# Altium PCB FMC_ADC_128CH_10B.PcbDoc (part 9 of 14)
Units mm, origin at the board's own origin, x right, y up, seen from the top; angles counter-clockwise.
Board outline 76.5 x 69 mm, 8 copper layers (Top Layer, Int1 (Sign), Int2 (GND), Int3 (Sign), Int4 (Sign), Int5 (GND), Int6 (Sign), Bottom Layer), stack 1.433 mm thick; 815 components, 661 nets, 3772 pads, 2072 vias.
Unrouted connection lines stored in the file: 135.
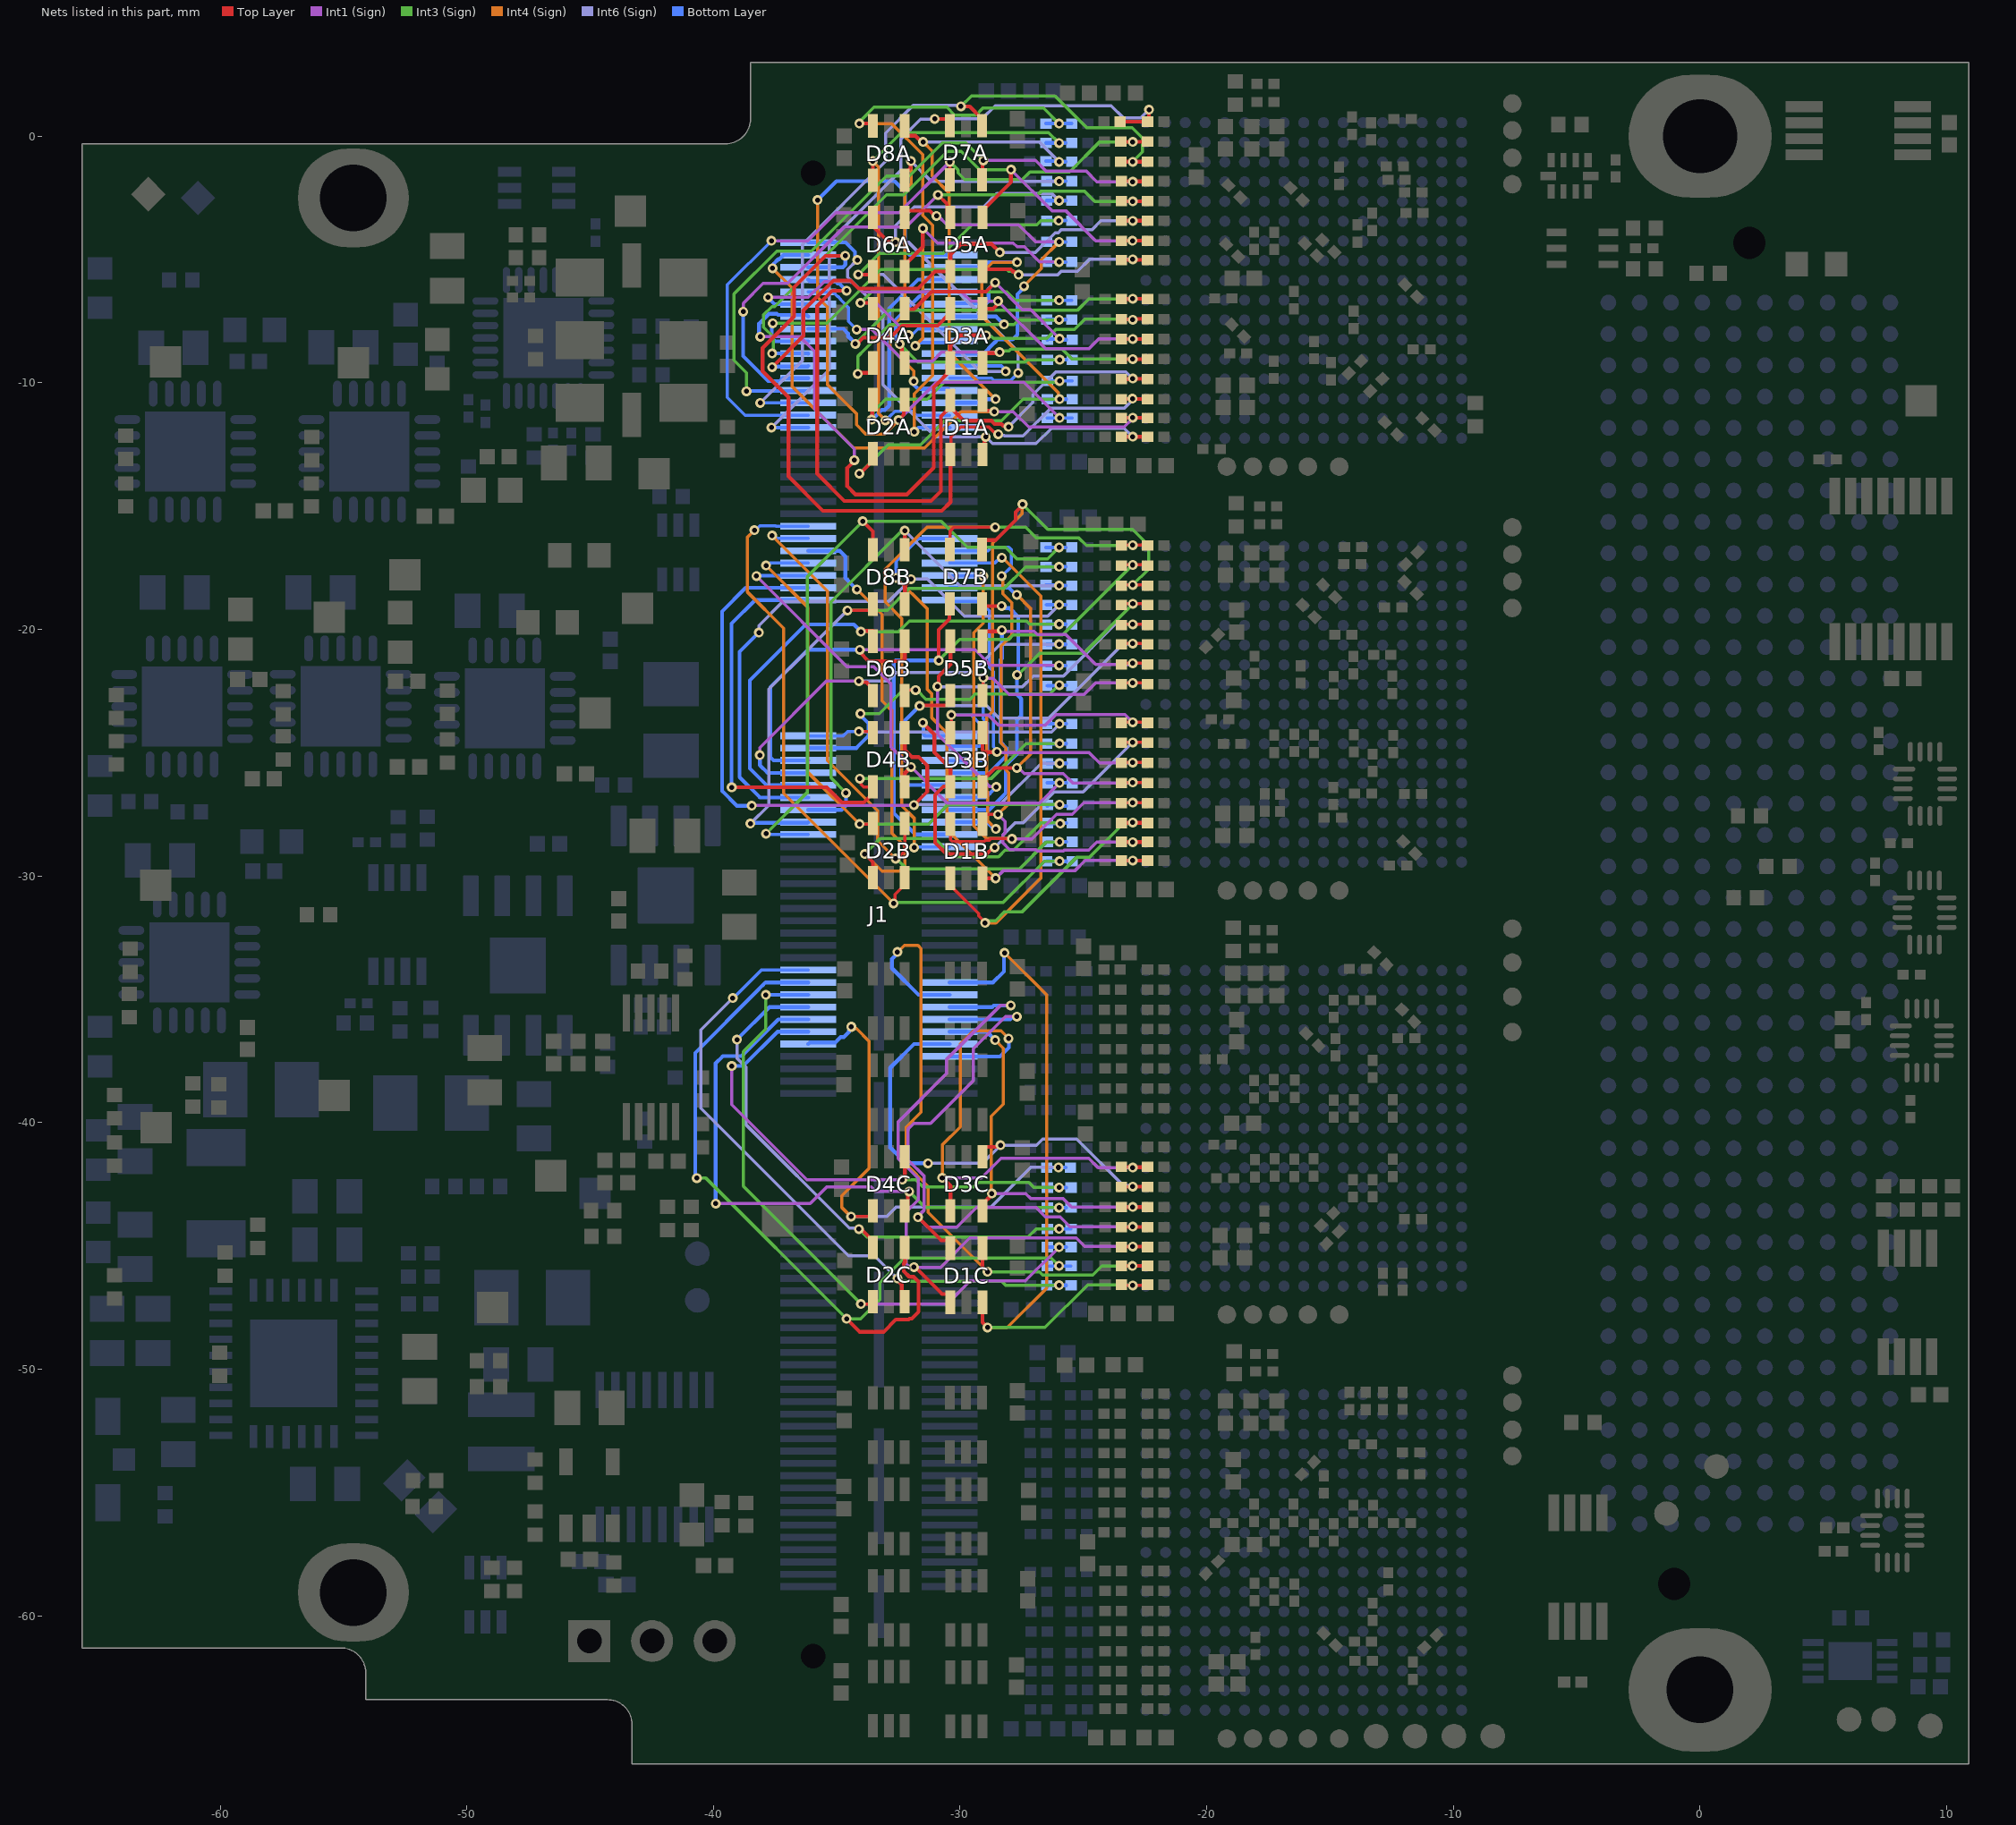
[diagram p15: the nets of this part, all layers, seen from the top]

## Via types
v1: diameter 0.4, hole 0.2, Top Layer to Bottom Layer, tented both sides, 1806 vias
v2: diameter 0.5, hole 0.2, Top Layer to Bottom Layer, tented both sides, 181 vias
v3: diameter 0.6, hole 0.3, Top Layer to Bottom Layer, tented both sides, 81 vias
v4: diameter 0.5, hole 0.3, Top Layer to Bottom Layer, tented both sides, 3 vias
v5: diameter 0.6, hole 0.2, Top Layer to Bottom Layer, tented both sides, 1 vias

## Nets (pads, with @x,y where several pads share a name; then routed paths per layer and width w, separated by ;. In a path a pad name is that pad's centre, name@x,y a point inside that pad or via, vN(x,y) a via of type N, cw(c..) or ccw(c..) an arc to the next point about the centre after c; other vN are vias at no path point) (continued)
INP1: D1A.6 J1.2 R26A.2 R27A.1 | length 21.5
  Top Layer w0.152: D1A.6@-29.09,-12.904 -29.01,-12.823 -29.01,-12.235 v1(-28.962,-12.188) ; R27A.1@-23.445,-12.184 v1@-22.999,-12.184 ; v1@-22.945,-12.184 R26A.2@-22.399,-12.185
  Int6 (Sign) w0.127: v1(-34.169,-5.013) -34.564,-5.408 -34.564,-5.704 -33.885,-6.383 -33.884,-6.383 -33.665,-6.602 -33.665,-6.603 -33.123,-7.145 -33.123,-10.071 -31.007,-12.188 v1(-28.962,-12.188) -28.951,-12.188 -28.681,-12.458 -26.917,-12.458 -26.296,-11.837 -23.346,-11.837 v1(-22.999,-12.184)
  Bottom Layer w0.152: J1.2@-36.158,-4.31 -34.643,-4.31 -34.266,-4.687 -34.266,-4.85 -34.169,-4.946 v1(-34.169,-5.013)
INP2: D2A.1 J1.3 R28A.1 R29A.1 | length 29.9
  Top Layer w0.152: v1(-32.497,-11.507) -32.283,-11.293 -32.283,-10.722 D2A.1@-32.24,-10.678
  Int1 (Sign) w0.127: v1(-32.497,-11.507) -30.962,-9.971 -27.413,-9.971 v1(-25.963,-11.421)
  Int4 (Sign) w0.127: v1(-35.777,-2.584) -35.777,-6.527 -35.373,-6.93 -35.373,-10.073 -34.195,-11.252 -34.195,-11.7 -33.81,-12.085 -33.076,-12.085 v1(-32.497,-11.507)
  Bottom Layer w0.127: R28A.1@-26.464,-11.423 R29A.1@-25.451,-11.423
  Bottom Layer w0.152: v1(-35.777,-2.584) -35.014,-1.821 -32.657,-1.821 -32.234,-2.245 -32.234,-4.627 -32.051,-4.81 J1.3@-30.428,-4.81
INP3: D1A.1 J1.4 R30A.2 R31A.1 | length 24.7
  Top Layer w0.127: D1A.1@-29.09,-10.704 -29.09,-10.979 -28.954,-11.115 -28.712,-11.115 v1@-28.64,-11.188 ; v1(-28.619,-11.166) -28.619,-11.219 -28.593,-11.244 -28.592,-11.243 v1@-28.592,-11.235
  Top Layer w0.152: R31A.1@-23.461,-11.423 -23.456,-11.417 -23.006,-11.417 v1(-23.001,-11.412) ; v1@-22.996,-11.413 -22.991,-11.417 -22.404,-11.417 R30A.2@-22.399,-11.423
  Int1 (Sign) w0.127: v1(-28.619,-11.166) -27.846,-11.166 -27.218,-11.794 -23.346,-11.794 -23.001,-11.45 v1(-23.001,-11.412)
  Int4 (Sign) w0.127: v1(-37.603,-5.357) -36.811,-6.149 -36.811,-10.146 -34.312,-12.645 -31.44,-12.645 -29.961,-11.166 v1(-28.619,-11.166)
  Bottom Layer w0.152: v1(-37.603,-5.357) -37.556,-5.31 -37.556,-5.17 -37.37,-4.984 -37.328,-4.984 -37.154,-4.81 J1.4@-36.158,-4.81
INP4: D2A.4 J1.5 R32A.1 R33A.1 | length 22
  Top Layer w0.152: v1(-34.081,-13.68) -34.066,-13.68 -33.54,-13.153 D2A.4@-33.54,-12.878
  Int3 (Sign) w0.127: v1(-34.081,-13.68) -32.917,-12.515 -31.609,-12.515 -30.633,-11.54 -28.324,-11.54 -27.445,-10.661 v1(-25.963,-10.661)
  Int4 (Sign) w0.127: v1(-27.689,-5.106) -28.679,-5.106 -29.115,-5.542 -29.115,-7.3 -26.118,-10.298 -26.008,-10.407 -26.008,-10.615 v1(-25.963,-10.661)
  Bottom Layer w0.152: J1.5@-30.428,-5.31 -29.064,-5.31 -28.86,-5.106 v1(-27.689,-5.106) ; R32A.1@-26.464,-10.661 -26.092,-10.661 -25.701,-10.661
INP5: D1A.4 J1.6 R34A.2 R35A.1 | length 32.6
  Top Layer w0.127: D1A.4@-30.39,-12.904 -30.377,-12.89 -30.377,-12.185 -29.977,-11.785 -28.837,-11.785 -28.642,-11.98 -28.627,-11.98 -28.522,-12.085 v1(-28.449,-12.085)
  Top Layer w0.152: v1(-34.652,-4.847) -35.461,-4.847 -36.732,-6.119 -36.732,-7.309 -38.005,-8.581 -38.005,-9.528 -36.955,-10.578 -36.955,-13.797 -35.566,-15.186 -30.741,-15.186 -30.39,-14.835 D1A.4@-30.39,-12.904 ; R35A.1@-23.501,-10.661 -23.491,-10.65 -23.022,-10.65 v1(-23.012,-10.64) -23.002,-10.65 -22.409,-10.65 R34A.2@-22.399,-10.661
  Int6 (Sign) w0.127: v1(-28.449,-12.085) -28.396,-12.137 -28.211,-12.137 -28.193,-12.156 -27.447,-12.156 -26.326,-11.034 -23.348,-11.034 -23.012,-10.698 v1(-23.012,-10.64)
  Bottom Layer w0.152: J1.6@-36.158,-5.31 -34.755,-5.31 -34.652,-5.206 v1(-34.652,-4.847)
INP6: D2A.3 J1.7 R36A.1 R37A.1 | length 18.1
  Top Layer w0.152: v1(-33.583,-11.496) -33.562,-11.474 -33.562,-10.7 D2A.3@-33.54,-10.678
  Int3 (Sign) w0.127: v1(-33.583,-11.496) -33.531,-11.443 -33.531,-11.169 -33.021,-10.659 -31.328,-10.659 -30.639,-9.971 -27.344,-9.971 -26.01,-9.971 v1(-25.963,-9.924)
  Bottom Layer w0.127: R36A.1@-26.464,-9.924 R37A.1@-25.451,-9.924
  Bottom Layer w0.152: v1(-33.583,-11.496) -33.578,-11.496 -33.179,-11.096 -33.048,-11.096 -32.871,-10.918 -32.871,-6.978 -31.703,-5.81 J1.7@-30.428,-5.81
INP7: D1A.3 J1.8 R38A.2 R39A.1 | length 29.1
  Top Layer w0.152: v1(-34.599,-6.261) -34.605,-6.266 -35.18,-6.266 -35.794,-6.879 -35.794,-13.685 -34.691,-14.787 -31.177,-14.787 -30.776,-14.386 -30.776,-11.365 D1A.3@-30.39,-10.979 ; D1A.3@-30.39,-10.704 -30.39,-10.992 -30.377,-10.992 -30.266,-11.102 -30.266,-11.116 -29.847,-11.535 -28.734,-11.535 -28.6,-11.668 -28.319,-11.668 -28.253,-11.735 ; R39A.1@-23.281,-9.848 -23.023,-9.848 v1(-23.002,-9.827) ; v1@-22.991,-9.827 -22.981,-9.837 -22.41,-9.837 R38A.2@-22.399,-9.848
  Int6 (Sign) w0.127: v1(-28.038,-11.782) -27.052,-10.796 -27.052,-10.485 -26.118,-9.551 -23.278,-9.551 v1(-23.002,-9.827)
  Bottom Layer w0.152: J1.8@-36.158,-5.81 -36.095,-5.873 -35.06,-5.873 -34.965,-5.968 -34.892,-5.968 v1(-34.599,-6.261)
INP8: D4A.6 J1.9 R40A.1 R41A.1 | length 12.1
  Top Layer w0.152: v1(-32.448,-8.426) -32.448,-8.493 -32.363,-8.578 -32.363,-9.071 D4A.6@-32.24,-9.195
  Int3 (Sign) w0.127: v1(-32.448,-8.426) -31.717,-9.158 -27.359,-9.158 -27.261,-9.061 v1(-25.963,-9.061)
  Bottom Layer w0.152: v1(-32.448,-8.426) -32.448,-8.373 -32.608,-8.213 -32.608,-7.452 -31.64,-6.484 -31.598,-6.484 -31.423,-6.31 J1.9@-30.428,-6.31 ; R40A.1@-26.463,-9.06 -25.701,-9.06
INP9: D3A.6 J1.10 R42A.2 R43A.1 | length 17
  Top Layer w0.152: D3A.6@-29.09,-9.195 -29.09,-8.92 -28.966,-8.796 -28.446,-8.796 v1(-28.401,-8.751) ; R43A.1@-23.361,-9.035 -23.359,-9.036 -23.004,-9.036 v1(-23.002,-9.038) ; v1@-22.957,-9.035 -22.955,-9.036 -22.401,-9.036 R42A.2@-22.399,-9.035
  Int1 (Sign) w0.127: v1(-34.192,-7.835) -34.182,-7.826 -33.577,-7.826 -32.279,-9.124 -31.118,-9.124 -30.745,-8.751 v1(-28.401,-8.751)
  Int3 (Sign) w0.127: v1(-28.401,-8.751) -28.348,-8.699 -28.013,-8.699 -27.947,-8.633 -25.862,-8.633 -25.457,-9.038 v1(-23.002,-9.038)
  Bottom Layer w0.127: J1.10@-36.158,-6.31 -35.163,-6.31 -34.975,-6.497 -34.951,-6.497 -34.85,-6.599 -34.85,-6.623 -34.521,-6.952 -34.521,-7.506 v1(-34.192,-7.835)
INP10: D4A.1 J1.11 R44A.1 R45A.1 | length 10.9
  Top Layer w0.152: D4A.1@-32.24,-6.995 -32.24,-7.006 -31.858,-7.006 -31.149,-6.298 -28.947,-6.298 v1(-28.58,-5.931)
  Int1 (Sign) w0.127: v1(-28.58,-5.931) -27.483,-7.028 -27.142,-7.028 v1(-25.963,-8.207)
  Bottom Layer w0.152: J1.11@-30.428,-6.81 -30.387,-6.769 -28.934,-6.769 -28.845,-6.68 -28.845,-6.196 v1(-28.58,-5.931) ; R44A.1@-26.463,-8.248 -26.443,-8.227 -25.983,-8.227 v1(-25.963,-8.207) ; v1@-25.963,-8.248 -25.701,-8.248
INP11: D3A.1 J1.12 R46A.2 R47A.1 | length 20
  Top Layer w0.152: D3A.1@-29.09,-6.995 -28.661,-6.995 -28.506,-6.84 -28.506,-6.735 v1(-28.459,-6.688) ; R47A.1@-23.504,-8.222 -23.501,-8.219 -23.004,-8.219 v1(-23.001,-8.216) ; v1@-22.976,-8.222 -22.973,-8.219 -22.402,-8.219 R46A.2@-22.399,-8.222
  Int1 (Sign) w0.127: v1(-37.784,-6.53) -37.31,-6.53 -37.307,-6.532 -36.15,-6.532 -35.506,-5.887 -34.445,-5.887 -34.409,-5.924 -34.344,-5.924 -33.962,-6.306 -29.942,-6.306 -29.56,-6.688 v1(-28.459,-6.688) -26.526,-8.621 -24.782,-8.621 -24.377,-8.216 v1(-23.001,-8.216)
  Bottom Layer w0.152: v1(-37.784,-6.53) -37.784,-6.547 -37.522,-6.81 J1.12@-36.158,-6.81
INP12: D4A.4 J1.13 R48A.1 R49A.1 | length 13.6
  Top Layer w0.152: v1(-34.151,-9.631) -34.114,-9.594 -33.663,-9.594 -33.54,-9.47 D4A.4@-33.54,-9.195
  Int3 (Sign) w0.127: v1(-34.151,-9.631) -34.151,-8.932 -33.864,-8.645 -32.852,-7.633 v1@-28.22,-7.633 ; v1(-28.213,-7.633) v1@-28.213,-7.564 ; v1@-28.151,-7.569 -28.087,-7.633 -27.812,-7.633 -27.626,-7.447 -26,-7.447 v1(-25.988,-7.435)
  Bottom Layer w0.152: J1.13@-30.428,-7.31 -28.536,-7.31 v1(-28.213,-7.633) ; R48A.1@-26.489,-7.435 -26.117,-7.435 -25.727,-7.435
INP13: D3A.4 J1.14 R50A.2 R51A.1 | length 29.8
  Top Layer w0.152: v1(-34.288,-13.133) -34.288,-13.164 -34.576,-13.452 -34.576,-14.195 -34.245,-14.525 -32.157,-14.525 -31.069,-13.437 -31.069,-10.18 -30.867,-9.978 -30.514,-9.625 -30.514,-9.319 D3A.4@-30.39,-9.195 -30.39,-8.456 -30.006,-8.072 v1(-28.943,-8.072) ; R51A.1@-23.355,-7.409 -23.338,-7.426 -23.019,-7.426 v1(-23.002,-7.442) ; v1@-23.046,-7.409 R50A.2@-22.399,-7.409
  Int1 (Sign) w0.127: v1(-38.101,-8.132) -36.491,-8.132 -35.905,-8.718 -35.905,-11.064 -34.288,-12.681 v1(-34.288,-13.133)
  Int3 (Sign) w0.127: v1(-28.943,-8.072) -28.891,-8.124 -28.714,-8.124 -28.642,-8.196 -26.48,-8.196 -26.118,-7.834 -25.36,-7.834 -24.938,-7.412 -23.032,-7.412 v1(-23.002,-7.442)
  Bottom Layer w0.152: v1(-38.101,-8.132) -38.149,-8.084 -38.149,-7.595 -37.751,-7.197 -37.431,-7.197 -37.381,-7.247 -36.221,-7.247 J1.14@-36.158,-7.31
INP14: D4A.3 J1.15 R52A.1 R53A.1 | length 14.3
  Top Layer w0.152: v1(-34.038,-6.756) -33.663,-6.756 -33.54,-6.88 D4A.3@-33.54,-6.995
  Int1 (Sign) w0.127: v1(-34.038,-6.756) -33.395,-6.756 v1(-32.089,-8.063)
  Int3 (Sign) w0.127: v1@-34.034,-6.752 -33.587,-6.305 -28.1,-6.305 -27.758,-6.648 v1(-25.988,-6.648)
  Bottom Layer w0.127: v1(-32.089,-8.063) -32.061,-8.09 -32.027,-8.09 -32.021,-8.084 -31.991,-8.084 -31.716,-7.81 J1.15@-30.428,-7.81 ; R52A.1@-26.489,-6.647 R53A.1@-25.477,-6.647
INP15: D3A.3 J1.16 R54A.2 R55A.1 | length 19.7
  Top Layer w0.152: v1(-34.248,-8.419) -34.181,-8.419 -33.968,-8.207 -33.926,-8.164 -32.838,-8.164 -32.35,-7.677 -30.908,-7.677 -30.39,-7.159 D3A.3@-30.39,-6.995 ; R55A.1@-23.307,-6.597 -23.011,-6.597 v1(-22.999,-6.584) ; v1@-22.987,-6.597 -22.981,-6.59 -22.405,-6.59 R54A.2@-22.399,-6.597
  Int3 (Sign) w0.127: v1(-34.248,-8.419) -32.89,-7.061 -25.247,-7.061 -24.785,-6.6 -23.014,-6.6 v1(-22.999,-6.584)
  Bottom Layer w0.152: J1.16@-36.158,-7.81 -34.731,-7.81 -34.541,-7.999 -34.541,-8.107 -34.248,-8.401 v1(-34.248,-8.419)
INP16: D6A.6 J1.17 R56A.1 R57A.1 | length 15.3
  Top Layer w0.152: D6A.6@-32.24,-5.487 -32.24,-5.212 -31.512,-4.484 v1(-31.512,-3.733)
  Int1 (Sign) w0.127: v1(-31.512,-3.733) -30.917,-4.328 -28.474,-4.328 -28.469,-4.333 -28.159,-4.333 -28.154,-4.328 -27.845,-4.328 -27.688,-4.484 -27.395,-4.484 -26.781,-5.098 v1(-25.988,-5.098)
  Int4 (Sign) w0.127: v1(-31.819,-8.496) -31.512,-8.189 v1(-31.512,-3.733)
  Bottom Layer w0.152: v1(-31.819,-8.496) -31.752,-8.496 -31.63,-8.373 -30.491,-8.373 J1.17@-30.428,-8.31 ; R56A.1@-26.489,-5.098 -26.117,-5.098 -25.727,-5.098
INP17: D5A.6 J1.18 R58A.2 R59A.1 | length 20.6
  Top Layer w0.152: D5A.6@-29.09,-5.487 -28.994,-5.39 -27.951,-5.39 -27.849,-5.492 -27.812,-5.492 -27.692,-5.612 v1(-27.625,-5.612) ; R59A.1@-23.445,-5.022 -23.431,-5.007 -23.014,-5.007 v1(-23,-4.993) ; v1@-22.962,-5.022 -22.948,-5.007 -22.414,-5.007 R58A.2@-22.399,-5.022
  Int3 (Sign) w0.127: v1(-37.591,-7.583) -35.393,-7.583 -33.213,-5.403 -28.097,-5.403 -28.025,-5.475 -27.922,-5.475 -27.881,-5.517 -27.794,-5.517 -27.699,-5.612 v1(-27.625,-5.612)
  Int6 (Sign) w0.127: v1(-27.625,-5.612) -26.041,-5.612 -25.901,-5.472 -25.237,-5.472 -24.758,-4.993 v1(-23,-4.993)
  Bottom Layer w0.152: v1(-37.591,-7.583) -37.638,-7.631 -37.638,-8.003 -37.649,-8.014 -37.649,-8.149 -37.489,-8.31 J1.18@-36.158,-8.31
INP18: D6A.1 J1.19 R60A.1 R61A.1 | length 15.3
  Top Layer w0.152: D6A.1@-32.24,-3.287 -32.24,-3.022 -31.234,-3.022 -31.022,-3.234 v1(-30.955,-3.234)
  Int1 (Sign) w0.127: v1(-30.955,-3.234) -30.889,-3.234 -30.537,-3.586 -27.627,-3.586 -26.927,-4.285 v1(-25.989,-4.285)
  Int4 (Sign) w0.127: v1(-27.412,-6.075) -26.7,-5.364 -26.7,-4.997 v1(-25.989,-4.285)
  Bottom Layer w0.152: J1.19@-30.428,-8.81 -29.039,-8.81 -28.827,-8.598 -28.827,-8.586 -28.601,-8.36 -28.589,-8.36 -28.475,-8.247 -27.87,-8.247 -27.675,-8.052 -27.675,-6.406 -27.412,-6.142 v1(-27.412,-6.075) ; R60A.1@-26.489,-4.285 -25.727,-4.285
INP19: D5A.1 J1.20 R62A.2 R63A.1 | length 25.9
  Top Layer w0.152: D5A.1@-29.09,-3.287 -29.09,-3.012 -27.937,-1.859 v1(-27.937,-1.355) ; R63A.1@-23.462,-4.234 -23.01,-4.235 R62A.2@-22.399,-4.234
  Int1 (Sign) w0.127: v1(-27.937,-1.355) -26.273,-3.019 -25.716,-3.019 -24.5,-4.235 v1(-23.009,-4.235)
  Int3 (Sign) w0.127: v1(-37.618,-8.805) -37.573,-8.76 -37.573,-8.129 -37.911,-7.792 -37.964,-7.738 -37.964,-7.24 -37.625,-6.901 -37.515,-6.901 -32.984,-2.37 -32.274,-2.37 -30.518,-0.615 -29.955,-0.615 -29.214,-1.355 v1(-27.937,-1.355)
  Bottom Layer w0.152: v1(-37.618,-8.805) -37.616,-8.808 -36.16,-8.808 J1.20@-36.158,-8.81
INP20: D6A.4 J1.21 R64A.1 R65A.1 | length 20.4
  Top Layer w0.152: v1(-34.13,-5.609) -33.662,-5.609 D6A.4@-33.54,-5.487
  Int3 (Sign) w0.127: v1(-34.13,-5.609) -33.271,-4.75 -30.687,-4.75 -29.523,-3.586 -26.884,-3.586 -26.72,-3.422 v1(-26,-3.422)
  Int6 (Sign) w0.127: v1(-34.13,-5.609) -33.108,-5.609 -29.186,-9.531 v1(-28.149,-9.531)
  Bottom Layer w0.152: J1.21@-30.428,-9.31 -28.335,-9.31 -28.149,-9.495 v1(-28.149,-9.531) ; R64A.1@-26.489,-3.422 v1(-26,-3.422) -25.727,-3.422
INP21: D5A.4 J1.22 R66A.2 R67A.1 | length 21.1
  Top Layer w0.152: v1(-37.618,-9.361) -36.354,-8.097 -36.354,-7.069 -35.13,-5.845 -34.441,-5.845 -34.118,-6.168 -31.705,-6.168 -31.02,-5.482 D5A.4@-30.39,-5.482 ; D5A.4@-30.39,-5.487 D5A.4@-30.39,-5.482 ; v1(-28.387,-4.706) -28.726,-4.367 -29.966,-4.367 -30.39,-4.791 D5A.4@-30.39,-5.482 ; R67A.1@-23.39,-3.422 -23.387,-3.425 -23.005,-3.425 v1(-23.002,-3.428) ; v1@-22.98,-3.427 -22.977,-3.425 -22.402,-3.425 R66A.2@-22.399,-3.422
  Int6 (Sign) w0.127: v1(-28.387,-4.706) -26.938,-4.706 -26.143,-3.912 -26.02,-3.912 -25.904,-3.795 -24.663,-3.795 -24.292,-3.425 -23.005,-3.425 v1(-23.002,-3.428)
  Bottom Layer w0.152: v1(-37.618,-9.361) -37.593,-9.336 -36.184,-9.336 J1.22@-36.158,-9.31
INP22: D6A.3 J1.23 R68A.1 R69A.1 | length 20.8
  Top Layer w0.152: D6A.3@-33.54,-3.287 -33.54,-3.654 -32.905,-4.289 v1(-32.62,-4.289)
  Int6 (Sign) w0.127: v1(-27.641,-9.597) -27.641,-8.75 -32.102,-4.289 v1(-32.62,-4.289) -32.62,-3.62 -31.86,-2.86 -29.043,-2.86 -28.51,-2.327 -26.27,-2.327 v1(-25.988,-2.609)
  Bottom Layer w0.127: J1.23@-30.428,-9.81 -28.723,-9.81 -28.628,-9.905 -27.948,-9.905 v1(-27.641,-9.597)
  Bottom Layer w0.152: R68A.1@-26.489,-2.609 v1@-26.117,-2.609 ; v1(-25.988,-2.609) -25.726,-2.609
INP23: D5A.3 J1.24 R70A.2 R71A.1 | length 25.2
  Top Layer w0.127: v1(-30.896,-2.378) -30.526,-2.747 -30.526,-3.15 D5A.3@-30.39,-3.287
  Top Layer w0.152: R71A.1@-23.42,-2.634 -23.417,-2.638 -23.006,-2.638 v1(-23.002,-2.641) ; v1@-23.006,-2.634 -23.002,-2.638 -22.403,-2.638 R70A.2@-22.399,-2.634
  Int1 (Sign) w0.127: v1(-38.792,-7.112) -38.792,-6.772 -37.987,-5.967 -36.995,-5.967 -34.714,-3.687 -32.205,-3.687 v1(-30.896,-2.378)
  Int3 (Sign) w0.127: v1(-30.896,-2.378) -26.859,-2.378 -26.717,-2.236 -24.942,-2.236 -24.537,-2.641 v1(-23.002,-2.641)
  Bottom Layer w0.152: v1(-38.792,-7.112) -38.792,-8.911 -37.776,-9.927 -37.309,-9.927 -37.192,-9.81 J1.24@-36.158,-9.81
INP24: D8A.6 J1.25 R72A.1 R73A.1 | length 19.3
  Top Layer w0.152: D8A.6@-32.24,-1.778 -32.24,-1.503 -32.116,-1.38 -32.098,-1.38 -32.009,-1.29 -32.009,-1.035 v1(-31.986,-1.012)
  Int4 (Sign) w0.127: v1(-31.986,-1.012) -31.986,-1.939 -32.24,-2.193 -32.24,-7.194 -32.841,-7.796 -32.841,-8.562 -31.881,-9.522 v1(-31.881,-9.937)
  Int6 (Sign) w0.127: v1(-31.986,-1.012) -31.176,-1.822 v1(-25.988,-1.822)
  Bottom Layer w0.152: v1(-31.881,-9.937) -31.886,-9.942 -31.886,-10.068 -31.708,-10.247 -30.491,-10.247 J1.25@-30.428,-10.31 ; R72A.1@-26.489,-1.821 -26.117,-1.821 -25.727,-1.821
INP25: D7A.6 J1.26 R74A.2 R75A.1 | length 27.7
  Top Layer w0.152: D7A.6@-29.115,-1.771 -29.087,-1.743 -29.087,-1.009 v1(-29.06,-0.981) ; R75A.1@-23.252,-1.822 -23.022,-1.822 v1(-23.002,-1.841) ; v1@-22.996,-1.864 -22.964,-1.831 -22.409,-1.831 R74A.2@-22.399,-1.821
  Int1 (Sign) w0.127: v1(-29.06,-0.981) -26.945,-0.981 -26.508,-1.419 -24.876,-1.419 -24.454,-1.841 v1(-23.002,-1.841)
  Int3 (Sign) w0.127: v1(-38.659,-10.344) -38.659,-9.591 -39.166,-9.085 -39.166,-6.391 -37.431,-4.656 -36.024,-4.656 -32.984,-1.617 -32.062,-1.617 -30.717,-0.272 -29.769,-0.272 v1(-29.06,-0.981)
  Bottom Layer w0.152: v1(-38.659,-10.344) -38.642,-10.327 -36.175,-10.327 J1.26@-36.158,-10.31
INP26: D8A.1 J1.27 R76A.1 R77A.1 | length 21.4
  Top Layer w0.152: D8A.1@-32.24,0.422 -32.24,0.147 -32.116,0.023 -31.816,0.023 -31.569,-0.224 v1(-31.502,-0.224)
  Int4 (Sign) w0.127: v1(-31.502,-0.224) -31.129,-0.597 -31.129,-1.616 -30.435,-2.31 -30.435,-8.787 v1(-28.564,-10.659)
  Int6 (Sign) w0.127: v1(-31.502,-0.224) -26.798,-0.224 v1(-25.988,-1.034)
  Bottom Layer w0.152: J1.27@-30.428,-10.81 -29.121,-10.81 -28.97,-10.659 v1(-28.564,-10.659) ; R76A.1@-26.514,-1.009 -26.143,-1.009 -26.118,-1.034 -25.727,-1.034
INP27: D7A.1 J1.28 R78A.2 R79A.1 | length 30.2
  Top Layer w0.152: v1(-29.964,1.212) -29.609,1.212 -29.379,0.981 -29.379,0.968 -29.115,0.704 D7A.1@-29.115,0.429 ; R79A.1@-23.338,-1.034 R78A.2@-22.399,-1.034
  Int3 (Sign) w0.127: v1(-29.964,1.212) -29.54,1.636 -26.153,1.636 -24.867,0.349 -23.024,0.349 -22.6,-0.074 -22.6,-0.634 v1(-23.003,-1.037)
  Int6 (Sign) w0.127: v1(-38.101,-10.81) -36.4,-9.109 -36.4,-4.401 -33.019,-1.02 -33.019,0.131 -31.901,1.248 -30,1.248 v1(-29.964,1.212)
  Bottom Layer w0.127: v1(-38.101,-10.81) J1.28@-36.158,-10.81
INP28: D8A.4 J1.29 R80A.1 R81A.1 | length 23.6
  Top Layer w0.152: D8A.4@-33.54,-1.778 v1(-33.54,-1.012)
  Int3 (Sign) w0.127: v1(-33.54,-1.012) -32.378,0.149 -26.41,0.149 v1(-25.988,-0.272)
  Int4 (Sign) w0.127: v1(-33.54,-1.012) -33.306,-1.246 -33.306,-11.234 -33.035,-11.505 v1(-33.035,-11.516)
  Bottom Layer w0.127: v1(-33.035,-11.516) v1@-33.007,-11.516 ; J1.29@-30.428,-11.31 -31.773,-11.31 -31.93,-11.153 -32.644,-11.153 -32.851,-11.36 ; v1@-33.007,-11.516 -32.851,-11.516 -32.851,-11.36 ; v1@-33.007,-11.516 -32.851,-11.36
  Bottom Layer w0.152: R80A.1@-26.514,-0.272 -26.143,-0.272 -25.727,-0.272
INP29: D7A.4 J1.30 R82A.2 R83A.1 | length 29.3
  Top Layer w0.152: D7A.4@-30.415,-1.771 v1(-30.415,-1.04) ; R83A.1@-23.377,-0.221 R82A.2@-22.399,-0.221
  Int1 (Sign) w0.127: v1(-37.649,-4.237) -36.171,-4.237 -35.036,-3.103 -32.478,-3.103 v1(-30.415,-1.04)
  Int3 (Sign) w0.127: v1(-30.415,-1.04) -30.087,-1.369 -30.087,-1.48 -29.81,-1.756 -27.481,-1.756 -27.168,-1.444 -25.559,-1.444 -24.34,-0.224 v1(-23.003,-0.224)
  Bottom Layer w0.127: v1(-37.649,-4.237) -39.434,-6.022 -39.434,-10.587 -38.71,-11.31 J1.30@-36.158,-11.31
INP30: D8A.3 J1.31 R84A.1 R85A.1 | length 26.8
  Top Layer w0.152: v1(-34.081,0.515) -33.633,0.515 D8A.3@-33.54,0.422
  Int3 (Sign) w0.127: v1(-34.081,0.515) -34.081,0.581 -33.487,1.175 -31.155,1.175 -30.862,1.175 ; -30.861,1.175 -30.537,1.175 -30.22,0.858 -29.356,0.858 -29.074,1.139 -26.613,1.139 v1(-25.988,0.515)
  Int4 (Sign) w0.127: v1(-34.081,0.515) -32.773,0.515 -31.512,-0.746 -31.512,-3.205 -31.114,-3.603 -31.114,-9.698 -31.858,-10.442 v1(-31.858,-11.985)
  Bottom Layer w0.152: v1(-31.858,-11.985) -31.683,-11.81 J1.31@-30.428,-11.81 ; R84A.1@-26.514,0.515 R85A.1@-25.477,0.515
INP31: D7A.3 J1.32 R86A.2 R87A.1 | length 28.7
  Top Layer w0.152: v1(-31.028,0.706) -31.026,0.704 -30.415,0.704 D7A.3@-30.415,0.429 ; R87A.1@-23.39,0.592 R86A.2@-22.399,0.592 -22.343,0.648 v1(-22.343,1.075)
  Int6 (Sign) w0.127: v1(-37.649,-11.813) -35.3,-9.464 -35.3,-4.289 -32.41,-1.399 -32.41,-0.12 -31.604,0.686 -31.048,0.686 v1(-31.028,0.706) -29.111,0.706 -28.576,1.241 -23.88,1.241 -23.379,0.74 -22.678,0.74 v1(-22.343,1.075)
  Bottom Layer w0.152: v1(-37.649,-11.813) -37.647,-11.812 -36.16,-11.812 J1.32@-36.158,-11.81
INP32: D2B.6 J1.48 R22B.1 R24B.1 | length 29.4
  Top Layer w0.127: v1(-32.695,-31.109) -32.642,-31.057 -32.642,-30.745 -32.24,-30.342 D2B.6@-32.24,-30.067
  Int3 (Sign) w0.127: v1(-32.695,-31.109) -32.646,-31.061 -28.246,-31.061 -26.584,-29.399 v1(-25.963,-29.399)
  Int4 (Sign) w0.127: v1(-38.336,-15.972) -38.632,-16.268 -38.632,-17.989 -38.632,-18.47 -37.159,-19.943 -37.159,-26.645 v1(-32.695,-31.109)
  Bottom Layer w0.127: v1(-38.336,-15.972) -38.298,-15.972 -38.117,-15.791 -37.484,-15.791 -37.466,-15.81 J1.48@-36.158,-15.81